# Altium PCB STM32unitV1.PcbDoc (part 1 of 4) (continued)
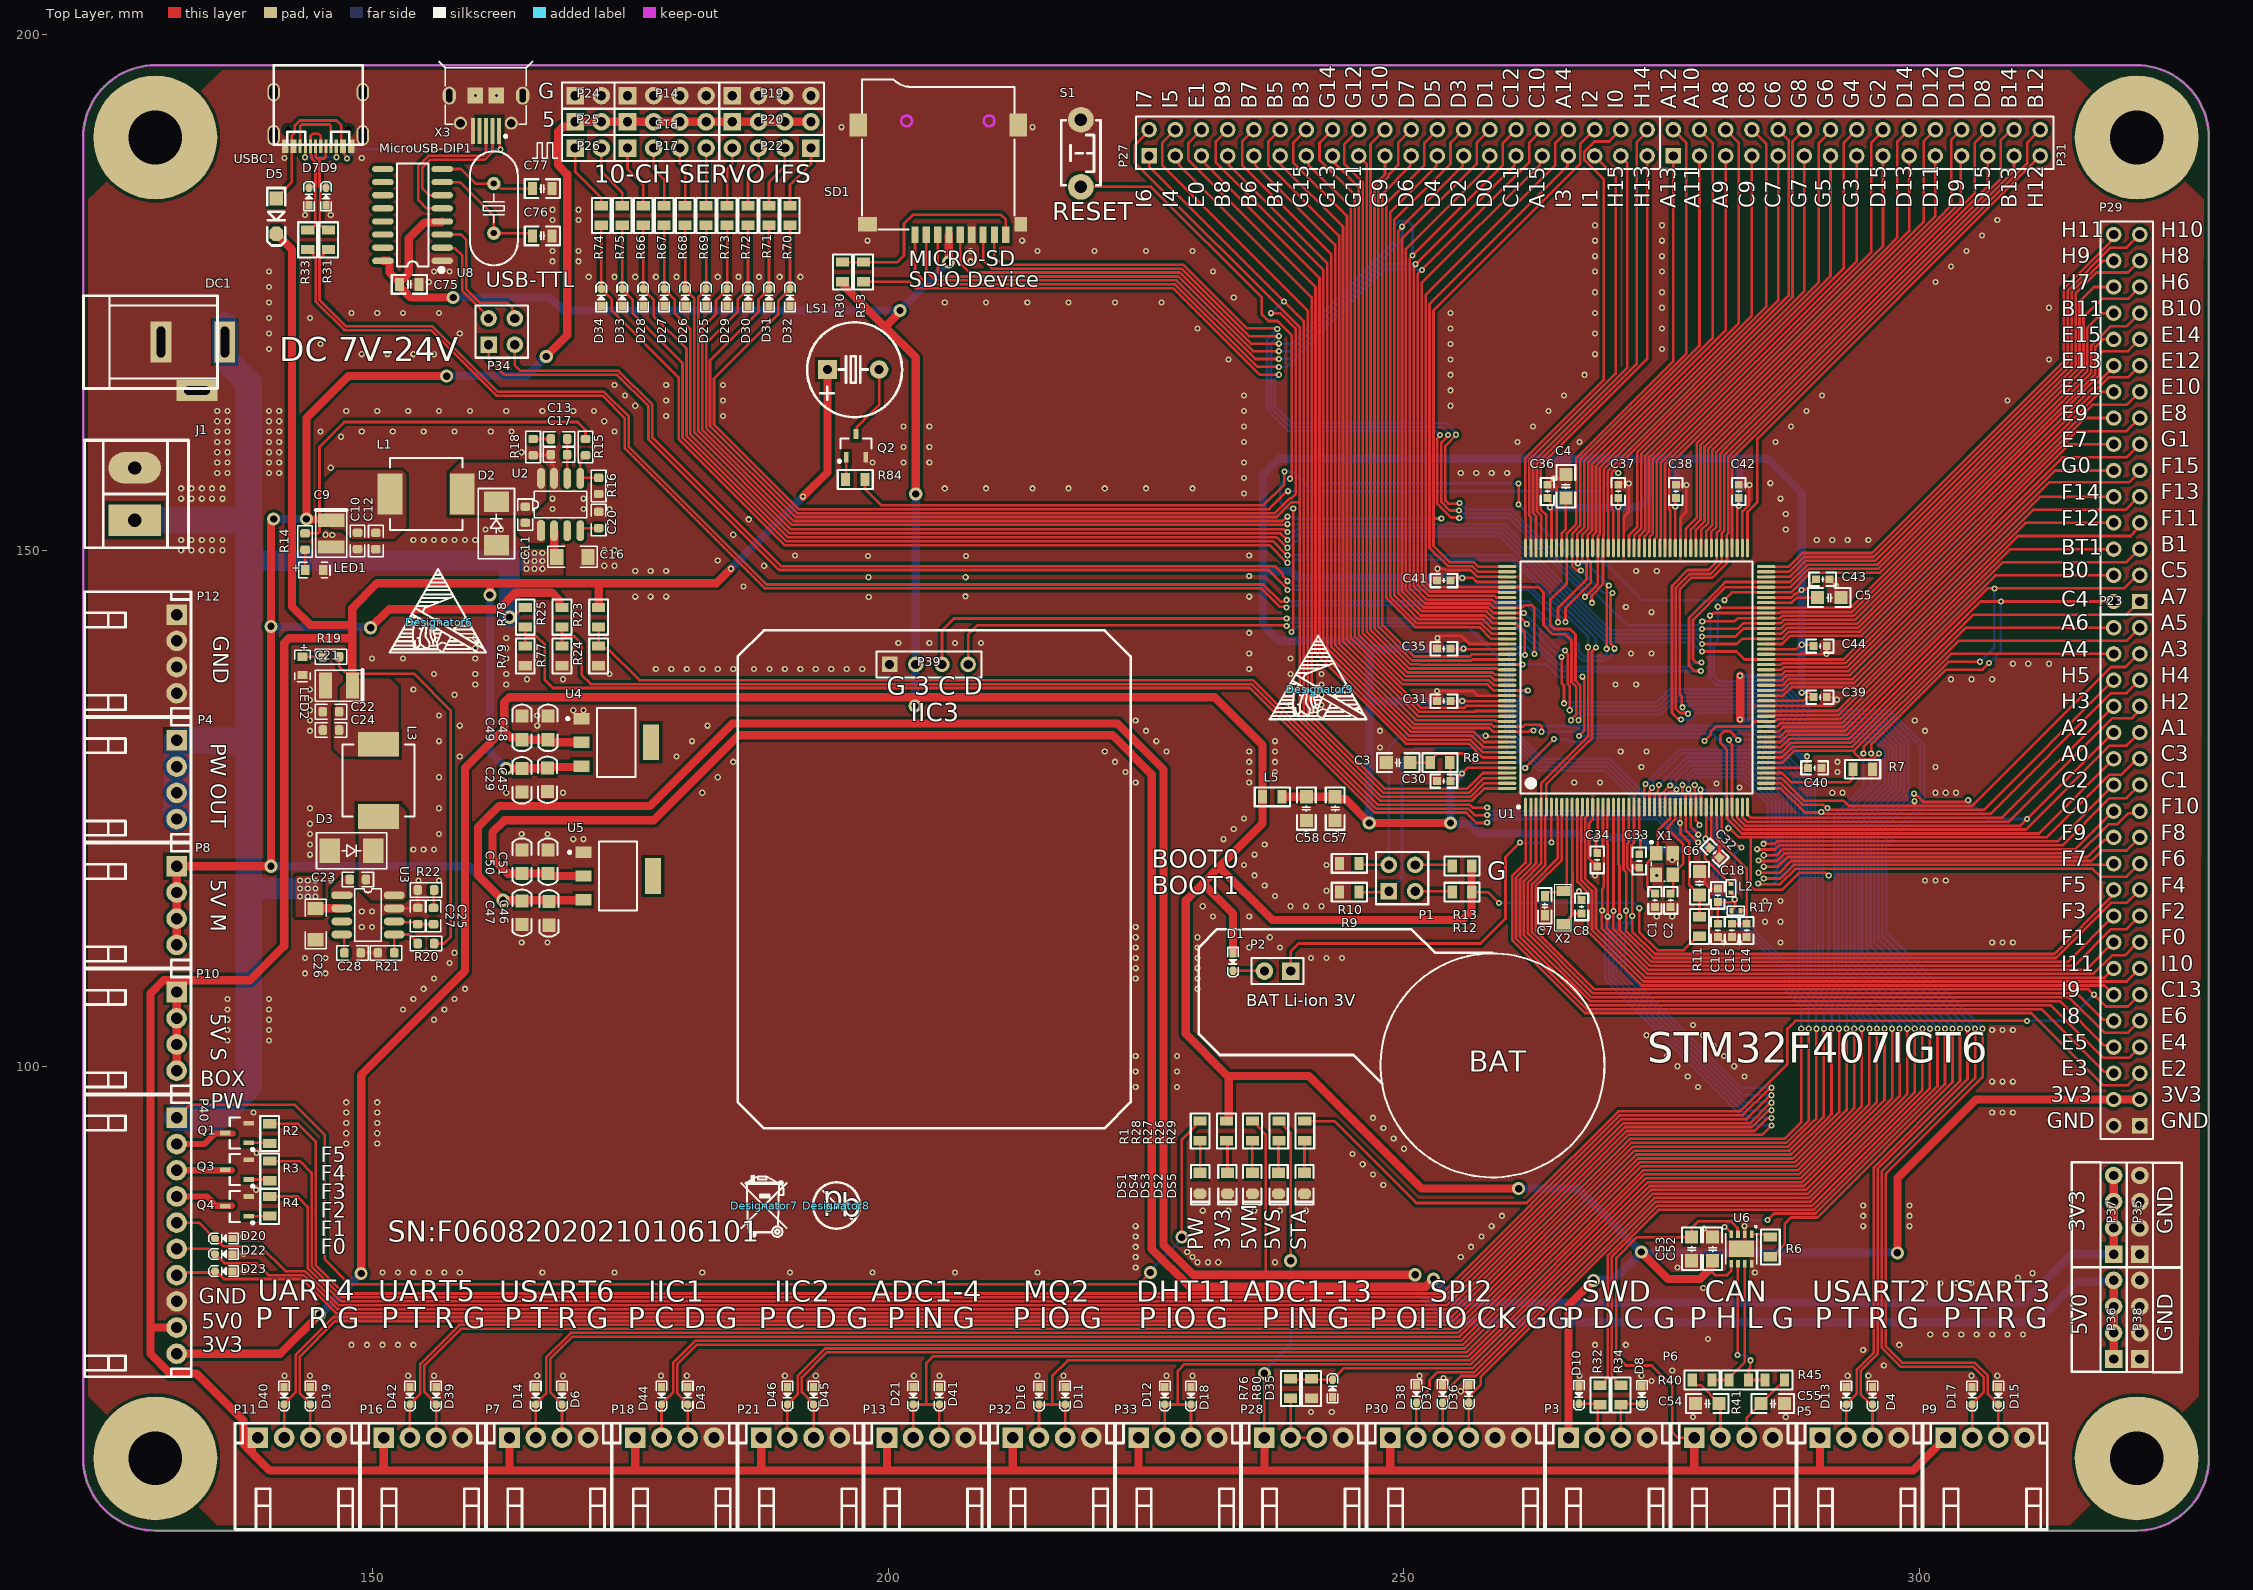
[diagram p0: Top Layer view]
## Components (designator, comment, footprint, x,y, rotation, side; value= is the part's Value field where it differs from the comment) (continued)
R24 "RES2" "R 0805_L" 171.958,139.766 r90 top value=1K
R25 "RES2" "R 0805_L" 168.402,143.51 r90 top value=10K
R26 "RES2" "R 0805_L" 237.871,93.726 r90 top value=1K
R27 "RES2" "R 0805_L" 235.331,93.726 r90 top value=1K
R28 "RES2" "R 0805_L" 232.791,93.726 r90 top value=1K
R29 "RES2" "R 0805_L" 240.386,93.726 r90 top value=1K
R30 "0805" "R 0805_L" 195.58,176.972 r270 top value=10K
R31 "0805" "R 0805_L" 145.796,180.086 r90 top value=22
R32 "0805" "R 0805_L" 268.986,68.138 r270 top value=100
R33 "0805" "R 0805_L" 143.764,180.086 r90 top value=22
R34 "0805" "R 0805_L" 271.018,68.138 r270 top value=100
R40 "0805" "R 0805_L" 278.892,69.596 r0 top value=0R
R41 "0805" "R 0805_L" 282.448,69.596 r180 top value=120
R45 "0805" "R 0805_L" 285.938,69.596 r180 top value=0R
R53 "0805" "R 0805_L" 197.612,176.972 r90 top value=0
R66 "0805" "R 0805_L" 176.276,182.438 r90 top value=200R
R67 "0805" "R 0805_L" 178.308,182.438 r90 top value=200R
R68 "0805" "R 0805_L" 180.34,182.438 r90 top value=200R
R69 "0805" "R 0805_L" 182.372,182.438 r90 top value=200R
R70 "0805" "R 0805_L" 190.5,182.438 r90 top value=200R
R71 "0805" "R 0805_L" 188.468,182.438 r90 top value=200R
R72 "0805" "R 0805_L" 186.436,182.438 r90 top value=200R
R73 "0805" "R 0805_L" 184.404,182.438 r90 top value=200R
R74 "0805" "R 0805_L" 172.212,182.438 r90 top value=200R
R75 "0805" "R 0805_L" 174.244,182.438 r90 top
R76 "RES2" "R 0805_L" 239.014,68.768 r270 top value=10K
R77 "RES2" "R 0805_L" 168.402,139.766 r90 top value=1K
R78 "RES2" "R 0805_L" 164.846,143.51 r90 top value=10K
R79 "RES2" "R 0805_L" 164.846,139.766 r90 top value=1K
R80 "RES2" "R 0805_L" 241.046,68.768 r90 top value=1K
R84 "RES2" "R 0805_L" 196.824,156.845 r0 top value=1K
S1 "SW" "TSW DIP-3*6*5" 218.694,188.468 r270 top
SD1 "SDCARD-M" SDCARD-M 204.86,191.602 r90 top
U1 "STM32F407IGT6" STM-LQFP176_N 272.542,137.668 r90 top locked
U2 "TPS54331" SO08 166.37,151.892 r90 top
U3 "TPS54331" SO08 147.066,116.571 r0 top
U4 "LM1117" SOT223 173.663,131.384 r270 top
U5 "LM1117" SOT223 173.844,118.43 r270 top
U6 "TJA1044GTK/3" HVSON8 282.702,82.296 r180 top
U8 "CH340G" SOP16_M 153.924,182.499 r180 top
USBC1 "TYPE-C-31-M-12" TYPE-C-USB-17 144.78,191.77 r180 top
X1 "25M" XTAL-3225 274.447,120.65 r270 top
X2 "32.768KHz" XTAL-3215A 265.43,113.772 r90 top
X3 "12M" "OSC HC-49S" 161.798,183.134 r90 top

## Footprints (in the part's own frame and the unit in brackets; to place one, negate y for a bottom-side part, rotate by r counter-clockwise, add the part's x,y. Pads: shape width x height; smd on the part's side, far side on the other; paste and mask are expansions set on the pad)
0603 [mil]
  rrect50% 32x37 smd: 1(3.94,0) 2(66.06,0)
  silkscreen extent -25,-28 95,28, body extent 4,-16 67,16, height 18
0603-led [mil]
  rect 32x37 smd: 1(0,0) 2(70,0)
  silkscreen extent -25,-29 95,29, body extent 2,-18 68,18, height 35
0603C [mil]
  rrect50% 32x37 smd: 1(3.94,0) 2(66.06,0)
  silkscreen extent -25,-28 95,28, body extent 4,-16 66,15, height 31
1206 [mil]
  rect 50x60 smd: 1(0,0) 2(120,0)
  silkscreen extent -35,-40 155,40, body extent -2,-32 124,31, height 39
3528 [mm]
  rect 1.27x2.54 smd: 1(0,0) 2(2.6,0)
  silkscreen extent -1,-1.5 3.6,1.5
"BEEP 5x9x5.5" [mm] "5*9*5.5mm(脚距,直径,高度)"
  rect 1.8x1.8 hole 0.9: 1(0,-2.5)
  round 1.8 hole 0.9: 2(0,2.5)
  silkscreen extent -4.57,-4.47 4.62,4.73, body extent -4.5,-4.5 4.5,4.5, height 5.45
"C 0603_L" [mil] "无极性贴片电容"
  rect 30x30 smd: 1(-25.59,0) 2(25.59,0)
  silkscreen extent -51,-26 51,26, body extent -31,-16 31,16, height 32
"C 0603_M" [mil] "无极性贴片电容"
  rect 40x30 smd: 1(-36.5,0) 2(36.5,0)
  silkscreen extent -67,-26 68,26, body extent -31,-16 31,16, height 32
"C 0805" [mil] "无极性贴片电容"
  rect 50x50 smd: 1(-45,0) 2(45,0)
  silkscreen extent -89,-36 89,36, body extent -39,-24 39,24, height 20
"C 0805_L" [mil] "无极性贴片电容"
  rect 35x50 smd: 1(-37.4,0) 2(37.4,0)
  silkscreen extent -67,-36 67,36, body extent -39,-24 39,24, height 20
"C 0805_M" [mil] "无极性贴片电容"
  rect 50x50 smd: 1(-45,0) 2(45,0)
  silkscreen extent -81,-36 81,36, body extent -39,-24 39,24, height 20
DC-005 [mm] "5.5*2.1mm，DC30V,2.5A"
  rect 2x4 hole 0.8 slot 3 at 90 deg: 1(-6.2,0) 2(0,0)
  rect 4x2 hole 0.8 slot 2.5 at 0 deg: 3(-3.5,4.7)
  silkscreen extent -5.48,-4.5 7.5,4.5, body extent -6.55,-4.5 7.5,4.8, height 11.2
DG1282-5.0 [mil]
  rect 120x200 hole 50: 1(-100,0)
  oval 120x200 hole 50: 2(100,0)
  silkscreen extent -205,-205 205,191, body extent -200,-160 200,160, height 315
DO-214AC-SMA [mm]
  rect 2x2.4 smd: 1(0,0) 2(4.2,0)
  silkscreen extent -1.3,-1.75 5.5,1.75, body extent -0.52,-1.3 4.68,1.3, height 2.4
HDR1X4 [mm] "Connector; Header; 4 Position"
  rect 1.5x1.5 hole 0.9: 1(0,0)
  round 1.5 hole 0.9: 2(2.54,0) 3(5.08,0) 4(7.62,0)
  silkscreen extent -1.27,-1.27 8.89,1.27
HDR2.54-LI-2P [mm] "排针，2脚"
  rect 1.7x1.7 hole 0.9: 1(-1.27,0)
  round 1.7 hole 0.9: 2(1.27,0)
  silkscreen extent -2.54,-1.27 2.54,1.27, body extent -2.54,-1.27 2.54,1.27, height 8.5
HDR2.54-LI-2x2P [mm] "双排排针，2x2脚"
  rect 1.6x1.6 hole 0.9: 1(-1.27,-1.27)
  round 1.6 hole 0.9: 2(-1.27,1.27) 3(1.27,-1.27) 4(1.27,1.27)
  silkscreen extent -2.54,-2.54 2.54,2.54, body extent -2.54,-2.54 2.54,2.54, height 8.5
HDR2.54-LI-4P [mm] "排针，4脚"
  rect 1.7x1.7 hole 0.9: 1(-3.81,0)
  round 1.7 hole 0.9: 2(-1.27,0) 3(1.27,0) 4(3.81,0)
  silkscreen extent -5.08,-1.27 5.08,1.27, body extent -5.08,-1.27 5.08,1.27, height 8.5
HDR2X15 [mm] "Connector; Header; 15x2 Position"
  rect 1.5x1.5 hole 0.9: 1(0,0)
  round 1.5 hole 0.9: 2(0,2.54) 3(2.54,0) 4(2.54,2.54) 5(5.08,0) 6(5.08,2.54) 7(7.62,0) 8(7.62,2.54) 9(10.16,0) 10(10.16,2.54) 11(12.7,0) 12(12.7,2.54) 13(15.24,0) 14(15.24,2.54) 15(17.78,0) 16(17.78,2.54) 17(20.32,0) 18(20.32,2.54) 19(22.86,0) 20(22.86,2.54) 21(25.4,0) 22(25.4,2.54) 23(27.94,0) 24(27.94,2.54) 25(30.48,0) 26(30.48,2.54) 27(33.02,0) 28(33.02,2.54) 29(35.56,0) 30(35.56,2.54)
  silkscreen extent -1.27,-1.27 36.83,3.81
HDR2X20 [mm] "Connector; Header; 20x2 Position"
  rect 1.5x1.5 hole 0.9: 1(0,0)
  round 1.5 hole 0.9: 2(0,2.54) 3(2.54,0) 4(2.54,2.54) 5(5.08,0) 6(5.08,2.54) 7(7.62,0) 8(7.62,2.54) 9(10.16,0) 10(10.16,2.54) 11(12.7,0) 12(12.7,2.54) 13(15.24,0) 14(15.24,2.54) 15(17.78,0) 16(17.78,2.54) 17(20.32,0) 18(20.32,2.54) 19(22.86,0) 20(22.86,2.54) 21(25.4,0) 22(25.4,2.54) 23(27.94,0) 24(27.94,2.54) 25(30.48,0) 26(30.48,2.54) 27(33.02,0) 28(33.02,2.54) 29(35.56,0) 30(35.56,2.54) 31(38.1,0) 32(38.1,2.54) 33(40.64,0) 34(40.64,2.54) 35(43.18,0) 36(43.18,2.54) 37(45.72,0) 38(45.72,2.54) 39(48.26,0) 40(48.26,2.54)
  silkscreen extent -1.27,-1.27 49.53,3.81
HVSON8 [mil]
  rect 14x28 smd: 1(-39,-56.4) 2(-13,-56.4) 3(13,-56.4) 4(39,-56.4) 5(39,56.4) 6(13,56.4) 7(-13,56.4) 8(-39,56.4)
  rect 94.49x62.99 smd: 9(0,0)
  silkscreen extent -59,-89 59,59, body extent -56,-60 56,60, height 31
KF2EDGK-2.54-WI-4P [mm] "长：12.06mm，宽：10.1mm，高：8.1mm"
  rect 2x2 hole 1.1: 1(-3.81,0)
  round 2 hole 1.1: 2(-1.27,0) 3(1.27,0) 4(3.81,0)
  silkscreen extent -6.03,-8.9 6.03,1.39, body extent -6.03,-8.9 6.03,1.2, height 8.15
KF2EDGK-2.54-WI-6P [mm] "长：17.1mm，宽：10.1mm，高：8.1mm"
  rect 2x2 hole 1.1: 1(-6.35,0.01)
  round 2 hole 1.1: 2(-3.81,0.01) 3(-1.27,0.01) 4(1.27,0.01) 5(3.81,0.01) 6(6.35,0.01)
  silkscreen extent -8.57,-8.89 8.57,1.4, body extent -8.57,-8.89 8.57,1.21, height 8.15
KF2EDGK-2.54-WI-10P [mm] "长：27.3mm，宽：10.1mm，高：8.1mm"
  rect 2x2 hole 1.1: 1(-11.43,0)
  round 2 hole 1.1: 2(-8.89,0) 3(-6.35,0) 4(-3.81,0) 5(-1.27,0) 6(1.27,0) 7(3.81,0) 8(6.35,0) 9(8.89,0) 10(11.43,0)
  silkscreen extent -13.65,-8.9 13.65,1.4, body extent -13.65,-8.9 13.65,1.2, height 8.15
L100 [mm]
  rect 2.4x4 smd: 1(0,0) 2(-7,0)
  silkscreen extent -7,-3.5 0,3.5, body extent -7.11,-3.49 0.09,3.51, height 4.51
"LED 0805B" [mil] "蓝色0805LED"
  rect 40x50 smd: 1(-40,0)
  oct 40x50 smd: 2(40,0)
  silkscreen extent -70,-35 80,35, body extent -39,-25 39,25, height 32
MICRO_USB_DIP [mm]
  oval 1.3x1.75 hole 0.6 slot 1.3 at 90 deg: 0(0,0) 0(7.112,0)
  round 1.27 hole 0.85: 0(1.1,2.667) 0(6.027,2.667)
  round 1.27 on Top Paste: 0(1.1,2.667) 1(6.027,2.667)
  rect 1.5x1.55 smd: 0(2.54,0) 0(4.572,0)
  rect 0.4x2.5 smd: 1(2.286,3.421) 2(2.921,3.421) 3(3.556,3.421) 4(4.191,3.421) 5(4.826,3.421)
  oval 1.3x1.75 on Top Paste: 2(0,0) 3(7.112,0)
  silkscreen extent -0.98,-3.34 8.15,4.06, body extent -0.54,-2.54 7.66,2.89, height 2.68
"OSC HC-49S" [mm]
  round 1.3 hole 0.6: 1(-2.4,0) 2(2.4,0)
  silkscreen extent -5.52,-2.32 5.52,2.33, body extent -5.52,-2.32 5.53,2.33, height 4.13
"Pb X" [mm]
  silkscreen extent -2.25,-2.24 2.25,2.24
"R 0402_L" [mm] "1/16W贴片电阻"
  rect 0.4x0.5 smd: 1(-0.4,0) 2(0.45,0)
  silkscreen extent -0.8,-0.45 0.85,0.45, body extent -0.5,-0.25 0.5,0.25, height 0.3
"R 0805_L" [mil] "1/8W贴片电阻"
  rect 35x50 smd: 1(-37.4,0) 2(37.4,0)
  silkscreen extent -67,-36 67,36, body extent -39,-25 39,25, height 20
SDCARD-M [mm] "TF卡"
  rect 1.6x0.7 smd: 1(-11.008,2.25) 2(-11.008,1.15) 3(-11.008,0.05) 4(-11.008,-1.05) 5(-11.008,-2.15) 6(-11.008,-3.25) 7(-11.008,-4.35) 8(-11.008,-5.45) 9(-11.008,-6.55)
  rect 1.4x1.2 smd: 10(-10,-8.004)
  rect 2.2x1.7 smd: 11(-0.4,-7.75) 13(-0.4,7.75)
  rect 1.4x1.8 smd: 12(-10,6.85)
  silkscreen extent -10.5,-7.4 4,7.4
SO08 [mil]
  oct 80x30 smd: 1(0,0)
  oval 80x30 smd: 2(0,-50) 3(0,-100) 4(0,-150) 5(200,-150) 6(200,-100) 7(200,-50) 8(200,0)
  silkscreen extent 50,-175 150,25, body extent -21,-171 221,21, height 68
SOD-123 [mil] "2.7x1.6X1.1mm（长宽高，不包括引脚）"
  rect 55x50 smd: 1(-67.5,0)
  oct 55x50 smd: 2(67.5,0)
  silkscreen extent -108,-35 112,35, body extent -73,-31 73,31, height 48
SOD-523 [mm] "1.2x0.8X0.6mm（长宽高，不包括引脚）"
  rect 0.8x0.7 smd: 1(-0.85,0)
  oct 0.8x0.7 smd: 2(0.85,0)
  silkscreen extent -1.4,-0.51 1.45,0.51, body extent -0.8,-0.4 0.8,0.4, height 0.65
SOP16_M [mm] "10.3*6.2*1.8mm（长宽高）"
  oval 2.1x0.6 smd: 1(-2.875,4.445) 2(-2.875,3.175) 3(-2.875,1.905) 4(-2.875,0.635) 5(-2.875,-0.635) 6(-2.875,-1.905) 7(-2.875,-3.175) 8(-2.875,-4.445) 9(2.875,-4.445) 10(2.875,-3.175) 11(2.875,-1.905) 12(2.875,-0.635) 13(2.875,0.635) 14(2.875,1.905) 15(2.875,3.175) 16(2.875,4.445)
  silkscreen extent -2.95,-5 1.52,5.49, body extent -3,-5 3,5, height 1.9
SOT23-3L [mm] "3x1.3x1mm(长宽高)"
  rect 0.45x1 smd: 1(-0.95,-1.143) 2(0.95,-1.143) 3(0,1.125)
  silkscreen extent -1.72,-1.65 1.5,0.7, body extent -1.5,-1.2 1.5,1.2, height 1.05
SOT223 [mm] "SOT-223/SC-73; 4 Leads; Body 6.7 x 7.3 mm, inc. leads (LxW max)"
  rect 1.1x1.55 smd: 1(-2.3,-3.375) 2(0,-3.375) 3(2.3,-3.375)
  rect 3.45x1.55 smd: 4(0,3.375)
  silkscreen extent -3.35,-4.82 3.35,1.85, body extent -3.25,-3.47 3.25,3.49, height 1.66
STM-LQFP176_N [mm] "Thin QFP, 176-Leads, Body 24x24mm, Pitch 0.5mm, IPC Medium Density"
  oval 1.8x0.3 smd: 1(-12.55,10.75) 2(-12.55,10.25) 3(-12.55,9.75) 4(-12.55,9.25) 5(-12.55,8.75) 6(-12.55,8.25) 7(-12.55,7.75) 8(-12.55,7.25) 9(-12.55,6.75) 10(-12.55,6.25) 11(-12.55,5.75) 12(-12.55,5.25) 13(-12.55,4.75) 14(-12.55,4.25) 15(-12.55,3.75) 16(-12.55,3.25) 17(-12.55,2.75) 18(-12.55,2.25) 19(-12.55,1.75) 20(-12.55,1.25) 21(-12.55,0.75) 22(-12.55,0.25) 23(-12.55,-0.25) 24(-12.55,-0.75) 25(-12.55,-1.25) 26(-12.55,-1.75) 27(-12.55,-2.25) 28(-12.55,-2.75) 29(-12.55,-3.25) 30(-12.55,-3.75) 31(-12.55,-4.25) 32(-12.55,-4.75) 33(-12.55,-5.25) 34(-12.55,-5.75) 35(-12.55,-6.25) 36(-12.55,-6.75) 37(-12.55,-7.25) 38(-12.55,-7.75) 39(-12.55,-8.25) 40(-12.55,-8.75) 41(-12.55,-9.25) 42(-12.55,-9.75) 43(-12.55,-10.25) 44(-12.55,-10.75) 89(12.55,-10.75) 90(12.55,-10.25) 91(12.55,-9.75) 92(12.55,-9.25) 93(12.55,-8.75) 94(12.55,-8.25) 95(12.55,-7.75) 96(12.55,-7.25) 97(12.55,-6.75) 98(12.55,-6.25) 99(12.55,-5.75) 100(12.55,-5.25) 101(12.55,-4.75) 102(12.55,-4.25) 103(12.55,-3.75) 104(12.55,-3.25) 105(12.55,-2.75) 106(12.55,-2.25) 107(12.55,-1.75) 108(12.55,-1.25) 109(12.55,-0.75) 110(12.55,-0.25) 111(12.55,0.25) 112(12.55,0.75) 113(12.55,1.25) 114(12.55,1.75) 115(12.55,2.25) 116(12.55,2.75) 117(12.55,3.25) 118(12.55,3.75) 119(12.55,4.25) 120(12.55,4.75) 121(12.55,5.25) 122(12.55,5.75) 123(12.55,6.25) 124(12.55,6.75) 125(12.55,7.25) 126(12.55,7.75) 127(12.55,8.25) 128(12.55,8.75) 129(12.55,9.25) 130(12.55,9.75) 131(12.55,10.25) 132(12.55,10.75)
  oval 0.3x1.8 smd: 45(-10.75,-12.55) 46(-10.25,-12.55) 47(-9.75,-12.55) 48(-9.25,-12.55) 49(-8.75,-12.55) 50(-8.25,-12.55) 51(-7.75,-12.55) 52(-7.25,-12.55) 53(-6.75,-12.55) 54(-6.25,-12.55) 55(-5.75,-12.55) 56(-5.25,-12.55) 57(-4.75,-12.55) 58(-4.25,-12.55) 59(-3.75,-12.55) 60(-3.25,-12.55) 61(-2.75,-12.55) 62(-2.25,-12.55) 63(-1.75,-12.55) 64(-1.25,-12.55) 65(-0.75,-12.55) 66(-0.25,-12.55) 67(0.25,-12.55) 68(0.75,-12.55) 69(1.25,-12.55) 70(1.75,-12.55) 71(2.25,-12.55) 72(2.75,-12.55) 73(3.25,-12.55) 74(3.75,-12.55) 75(4.25,-12.55) 76(4.75,-12.55) 77(5.25,-12.55) 78(5.75,-12.55) 79(6.25,-12.55) 80(6.75,-12.55) 81(7.25,-12.55) 82(7.75,-12.55) 83(8.25,-12.55) 84(8.75,-12.55) 85(9.25,-12.55) 86(9.75,-12.55) 87(10.25,-12.55) 88(10.75,-12.55) 133(10.75,12.55) 134(10.25,12.55) 135(9.75,12.55) 136(9.25,12.55) 137(8.75,12.55) 138(8.25,12.55) 139(7.75,12.55) 140(7.25,12.55) 141(6.75,12.55) 142(6.25,12.55) 143(5.75,12.55) 144(5.25,12.55) 145(4.75,12.55) 146(4.25,12.55) 147(3.75,12.55) 148(3.25,12.55) 149(2.75,12.55) 150(2.25,12.55) 151(1.75,12.55) 152(1.25,12.55) 153(0.75,12.55) 154(0.25,12.55) 155(-0.25,12.55) 156(-0.75,12.55) 157(-1.25,12.55) 158(-1.75,12.55) 159(-2.25,12.55) 160(-2.75,12.55) 161(-3.25,12.55) 162(-3.75,12.55) 163(-4.25,12.55) 164(-4.75,12.55) 165(-5.25,12.55) 166(-5.75,12.55) 167(-6.25,12.55) 168(-6.75,12.55) 169(-7.25,12.55) 170(-7.75,12.55) 171(-8.25,12.55) 172(-8.75,12.55) 173(-9.25,12.55) 174(-9.75,12.55) 175(-10.25,12.55) 176(-10.75,12.55)
  silkscreen extent -12.67,-11.25 11.25,11.57, body extent -12,-12 12,12, height 1.6
"touch X" [mm]
  silkscreen extent -4.83,-2.92 4.55,5.18
"TSW DIP-3*6*5" [mm] "3*6*5mm"
  round 2.5 hole 1.2: 1(3.25,0) 2(-3.25,0)
  silkscreen extent -3.21,-1.9 3.09,1.9, body extent -3.91,-1.75 3.91,1.75, height 5.01
TYPE-C-USB-17 [mm]
  oval 1.2x1.8 hole 0.8 slot 1.4 at 90 deg: 0(-4.32,-2.624) 0(4.32,-2.624)
  oval 1.2x2 hole 0.8 slot 1.6 at 90 deg: 0(-4.32,1.556) 0(4.32,1.556)
  rect 0.3x1.3 smd: A1(-3.35,2.623) A4(-2.55,2.623) A5(-1.25,2.623) A6(-0.25,2.623) A7(0.25,2.623) A8(-1.75,2.624) A9(2.55,2.623) A12(3.35,2.623) B1(3.05,2.623) B4(2.25,2.623) B5(1.75,2.623) B6(0.75,2.623) B7(-0.75,2.623) B8(1.25,2.624) B9(-2.25,2.623) B12(-3.05,2.623)
  round 0.75 hole 0.75 unplated: ""(-2.89,1.026) ""(2.89,1.026)
  silkscreen extent -4.32,-5.23 4.32,2.47, body extent -4.45,-5.03 4.45,2.53, height 3.29
"WASH X" [mm]
  silkscreen extent -2.23,-3.04 2.17,2.89
XTAL-3215A [mm]
  rect 1x1.3 smd: 1(0,0) 2(3.2,0)
  silkscreen extent -0.65,-0.8 3.85,0.8, body extent 0,-0.76 3.2,0.74, height 0.81
XTAL-3225 [mm]
  rect 1.4x1.2 smd: 1(0,0) 2(2.108,-0.025) 3(2.108,1.6) 4(0,1.6)
  silkscreen extent -1.17,-0.57 2.72,2.08, body extent -0.53,-0.46 2.67,2.04, height 0.61

## Part data
C1 C2 C3 C4 C5 C6 C7 C8 C14 C15 C18 C19 C30 C31 C32 C33 C34 C35 C36 C37 C38 C39 C40 C41 C42 C43 C44 C52 C53 C54 C55 C57 C58: library part CAP
C9 C21: library part CAP-+, "Capacitor"
C10 C11 C12 C13 C16 C17 C20 C22 C23 C24 C25 C26 C27 C28: library part CAP1, "Capacitor"
  C11 C13 C23 C25: 类型=电容
C29 C45 C46 C47 C48 C49 C50 C51: library part C, "无极性贴片电容", BOM名称=无极性贴片电容, 学习资源=www.ooocke.com, 版权归属=源创客
D1 D5: "High Conductance Fast Diode", Code_JEDEC=DO-204-AH, ComponentLink1Description="Manufacturer Link", ComponentLink1URL=http://www.fairchildsemi.com/, ComponentLink2Description=Datasheet, ComponentLink2URL=http://www.fairchildsemi.com/ds/1N%2F1N4148.pdf, DatasheetVersion=1997, LatestRevisionDate=17-Jul-2002, LatestRevisionNote="Re-released for DXP Platform.", PackageDescription="Diode, Axial; Body 3.8 x 1.9 mm (LxDia. max), Lead Dia. 0.53 mm (max)", PackageReference=DO-35, Published=8-Jun-2000, Publisher="Altium Limited"
D2 D3: library part DIOLED_1, "DIODE LED"
D4 D6 D7 D8 D9 D10 D11 D12 D13 D14 D15 D16 D17 D18 D19 D20 D21 D22 D23 D25 D26 D27 D28 D29 D30 D31 D32 D33 D34 D35 D36 D37 D38 D39 D40 D41 D42 D43 D44 D45 D46: library part D, "High Conductance Fast Diode", Code_JEDEC=DO-204-AH, ComponentLink1Description="Manufacturer Link", ComponentLink1URL=http://www.fairchildsemi.com/, ComponentLink2Description=Datasheet, ComponentLink2URL=http://www.fairchildsemi.com/ds/1N%2F1N4148.pdf, DatasheetVersion=1997, LatestRevisionDate=17-Jul-2002, LatestRevisionNote="Re-released for DXP Platform.", PackageDescription="Diode, Axial; Body 3.8 x 1.9 mm (LxDia. max), Lead Dia. 0.53 mm (max)", PackageReference=DO-35, Published=8-Jun-2000, Publisher="Altium Limited"
L1 L3: library part INDUCTOR1_1
L2 L5 R6 R7 R8 R9 R10 R11 R12 R13 R17 R30 R31 R32 R33 R34 R40 R41 R45 R53 R66 R67 R68 R69 R70 R71 R72 R73 R74 R75: library part RES2, "Resistor", LatestRevisionDate=17-Jul-2002, LatestRevisionNote="Re-released for DXP Platform.", PackageDescription="Axial Device, Thru-Hole; 2 Leads; 0.3 in Pin Spacing", PackageReference=AXIAL-0.3, Published=8-Jun-2000, Publisher="Altium Limited"
LED1 LED2: library part CP_DIOLED, "DIODE LED"
LS1: "Loudspeaker", LatestRevisionDate=17-Jul-2002, LatestRevisionNote="Re-released for DXP Platform.", PackageReference=PIN2, Published=24-Mar-1999, Publisher="Altium Limited"
P1 P34: "Header, 2-Pin, Dual row", LatestRevisionDate=17-Jul-2002, LatestRevisionNote="Re-released for DXP Platform.", Publisher="Altium Limited"
P2 P24 P25 P26: "Header, 2-Pin", LatestRevisionDate=17-Jul-2002, LatestRevisionNote="Re-released for DXP Platform.", Publisher="Altium Limited"
P3 P14 P15 P17 P19 P20 P22 P35 P36 P37 P38: "Header, 4-Pin", LatestRevisionDate=17-Jul-2002, LatestRevisionNote="Re-released for DXP Platform.", Publisher="Altium Limited"
P4 P5 P6 P7 P8 P9 P10 P11 P12 P13 P16 P18 P21 P28 P32 P33 P39: library part "Header 4", "Header, 4-Pin", LatestRevisionDate=17-Jul-2002, LatestRevisionNote="Re-released for DXP Platform.", Publisher="Altium Limited"
P23 P27: "Header, 20-Pin, Dual row", LatestRevisionDate=17-Jul-2002, LatestRevisionNote="Re-released for DXP Platform.", Publisher="Altium Limited"
P29 P31: "Header, 15-Pin, Dual row", LatestRevisionDate=17-Jul-2002, LatestRevisionNote="Re-released for DXP Platform.", Publisher="Altium Limited"
P30: "Header, 6-Pin", LatestRevisionDate=17-Jul-2002, LatestRevisionNote="Re-released for DXP Platform.", Publisher="Altium Limited"
P40: "Header, 10-Pin", LatestRevisionDate=17-Jul-2002, LatestRevisionNote="Re-released for DXP Platform.", Publisher="Altium Limited"
Q1 Q2 Q3 Q4: library part "NPN  SOT", "NPN Bipolar Transistor", Code_JEDEC=TO-226-AA, LatestRevisionDate=17-Jul-2002, LatestRevisionNote="Re-released for DXP Platform.", PackageDescription="TO, Flat Index; 3 In-Line, Axial Leads; Body Dia. 4.8mm; Leads 0.55 x 0.51 mm (max)", PackageReference=TO-226-AA, Published=8-Jun-2000, Publisher="Altium Limited"
R1 R2 R3 R4 R23 R24 R25 R26 R27 R28 R29 R76 R77 R78 R79 R80 R84: "Resistor", LatestRevisionDate=17-Jul-2002, LatestRevisionNote="Re-released for DXP Platform.", PackageDescription="Axial Device, Thru-Hole; 2 Leads; 0.3 in Pin Spacing", PackageReference=AXIAL-0.3, Published=8-Jun-2000, Publisher="Altium Limited"
R14 R15 R16 R18 R19 R20 R21 R22: library part RES2
SD1: "TF卡槽"
U1: "ARM Cortex-M4 32-bit MCU+FPU, 210 DMIPS, 1024 kB Flash, 192 kB Internal RAM, 140 I/Os, 176-pin LQFP, -40 to 85 degC, Tray", I/Os (High Current)=140, Manufacturer=STMicroelectronics, Operating Frequency(F) (Processor speed) (MHz)=168, Supplier Part Number 1=497-11604-ND, Supply Voltage(Vcc) max (V)=3.6, Supply Voltage(Vcc) min (V)=1.8, ComponentLink1Description="Manufacturer URL", ComponentLink1URL=http://www.st.com/web/en/home.html, ComponentLink2Description=Datasheet, ComponentLink2URL=http://www.st.com/st-web-ui/static/active/en/resource/technical/document/datasheet/DM00037051.pdf, ComponentLink3Description="Package Specification", ComponentLink3URL=http://www.st.com/st-web-ui/static/active/en/resource/technical/document/datasheet/DM00035129.pdf, Core="ARM Cortex-M4", D/A Converter=2x12-bit, DatasheetVersion="Rev. 4", FLASH Size (Prog) (kB)=1024, Internal RAM Size (kB)=192, Mounting Technology="Surface Mount", PackageDescription="176-Pin Low Profile Quad Flat Package, 24 x 24 mm Body, 0.5 mm Pitch", PackageReference=LQFP176, PackageVersion="Rev. 4, 06/2013", Packing=Tray, PartNumber=STM32F407IGT6, Supplier 1=Digi-Key, Supplier 2=Farnell, Supplier 3=Newark, Supplier 4=Mouser, Supplier Part Number 2=2064366, Supplier Part Number 3=73T2331, Supplier Part Number 4=511-STM32F407IGT6
X1: library part XTAL-4, "4脚晶振", BOM名称=4脚晶振, 学习资源=www.ooocke.com, 版权归属=源创客
X2: library part XTAL-2, "2脚晶振", BOM名称=2脚晶振, 学习资源=www.ooocke.com, 版权归属=源创客
X3: library part YX
S1: LatestRevisionDate=17-Jul-2002, LatestRevisionNote="Re-released for DXP Platform.", Published=24-Mar-1999, Publisher="Altium Limited"

## Free pads (board coordinates)
  round 12 hole 5.2: 0(129,62) 0(129,190) 0(321,62) 0(321,190)

## Via types
v1: diameter 0.6, hole 0.3, Top Layer to Bottom Layer, tented both sides, 860 vias
v2: diameter 1.27, hole 0.711, Top Layer to Bottom Layer, tented both sides, 30 vias

## Nets (pads, with @x,y where several pads share a name; then routed paths per layer and width w, separated by ;. In a path a pad name is that pad's centre, name@x,y a point inside that pad or via, vN(x,y) a via of type N, cw(c..) or ccw(c..) an arc to the next point about the centre after c; other vN are vias at no path point)
+3.3V: C48.2 C49.1 C52.2 C75.2 D1.1 L5.2 P3.1 P23.3 P23.4 P39.2 P40.10 R11.1 R12.1 R13.2 R28.2 R30.2 SD1.4 U4.2 U6.5 U8.4 U8.16 | length 531.6
  Top Layer w0.254: R12.1@256.572,116.867 258.164,116.867 v1(259.207,115.824) ; v1(272.796,115.316) 272.796,113.03 274.574,111.252 277.112,111.252 278.448,112.588 R11.1@278.638,112.588 ; C52.2@279.908,81.153 279.908,80.581 279.908,80.01 280.162,79.756 281.305,79.756 281.711,80.162 U6.5@281.711,80.863
  Top Layer w0.8: P40.10@131.064,72.136 141.097,72.136 v2(144.907,75.946) ; v2(148.941,79.907) 148.941,99.157 159.004,109.22 159.004,128.905 162.814,132.715 ; U8.16@151.049,178.054 151.599,178.054 151.699,177.954 151.699,176.919 C75.2@152.659,175.958 ; U8.4@156.799,181.864 156.699,181.764 155.094,181.764 153.543,180.213 153.543,176.842 C75.2@152.659,175.958 ; v2(157.861,174.498) 153.739,174.498 152.659,175.577 C75.2@152.659,175.958 ; U4.2@170.288,131.384 167.536,131.384 167.282,131.638 C48.2@167.059,131.638 C49.1@164.519,131.638 164.284,131.873 163.402,131.873 162.814,132.461 162.814,135.275 163.283,135.744 202.692,135.744 ; R30.2@195.58,176.022 195.77,176.022 195.815,175.978 195.815,175.533 199.707,171.641 ; v2(201.168,173.228) 201.168,173.101 199.707,171.641 ; v2(202.61,134.919) 202.692,135.001 202.692,135.744 ; v2(202.692,155.448) 202.692,168.656 199.707,171.641 ; v2(205.867,177.927) 205.888,177.948 205.888,180.573 SD1.4@205.91,180.594 ; R28.2@232.791,94.676 232.982,94.676 233.026,94.72 233.026,99.06 ; D1.1@233.426,110.959 233.426,114.808 230.506,117.728 ; L5.2@236.286,125.921 236.286,131.125 231.667,135.744 202.692,135.744 ; L5.2@236.286,126.111 236.286,123.508 232.094,119.315 ; R13.2@256.572,119.407 256.54,119.375 256.54,116.867 256.54,115.062 255.651,114.173 237.236,114.173 232.094,119.315 ; v2(261.112,88.138) 251.714,88.138 240.792,99.06 232.918,99.06 228.854,103.124 228.854,116.076 230.506,117.728 ; P3.1@265.938,64.008 265.938,76.835 v2(268.351,79.248) ; v2(273,82) 273,81.965 275.59,79.375 278.702,79.375 C52.2@279.908,80.581 ; v2(297.815,81.915) 297.815,89.154 305.435,96.774 P23.4@318.77,96.774 P23.3@321.31,96.774 ; 230.506,117.728 232.094,119.315
  Bottom Layer w0.254: v1(259.207,115.824) 272.288,115.824 v1(272.796,115.316)
  Bottom Layer w0.8: v2(144.907,75.946) 144.943,75.946 148.905,79.907 v2(148.941,79.907) ; v2(157.861,174.498) 167.259,174.498 168.529,173.228 v2(201.168,173.228) v2(205.867,177.927) ; v2(202.61,134.919) 202.651,134.96 202.651,138.897 P39.2@202.692,138.938 v2(202.692,155.448) ; v2(261.112,88.138) 266.862,88.138 v2(273,82) ; v2(268.351,79.248) 268.416,79.313 270.313,79.313 v2(273,82) ; v2(297.815,81.915) 297.772,81.958 273.042,81.958 v2(273,82)
BOOT0: P1.2 R10.1 U1.166 | length 26.4
  Top Layer w0.254: R10.1@245.65,119.661 245.804,119.507 P1.2@248.539,119.507 ; v1(257.917,132.024) 258.011,132.024 258.117,131.918 U1.166@259.992,131.918
  Bottom Layer w0.254: P1.2@248.539,119.507 248.539,130.937 249.682,132.08 257.861,132.08 v1(257.917,132.024)
BOOT1: P1.1 P29.6 R9.2 U1.58 | length 95.8
  Top Layer w0.254: R9.2@245.65,116.867 248.439,116.867 P1.1@248.539,116.967 ; v1(261.747,128.905) v1(264.541,131.699) ; v1(279.115,131.507) 279.735,132.127 279.735,132.415 280.24,132.92 283.539,132.92 284.037,133.418 U1.58@285.092,133.418 285.101,133.427 285.954,133.427 286.16,133.633 292.283,133.633 308.764,150.114 P29.6@318.77,150.114
  Bottom Layer w0.254: P1.1@248.539,116.967 249.809,118.237 249.809,129.667 250.952,130.81 259.842,130.81 v1(261.747,128.905) ; v1(264.541,131.699) 265.684,131.699 265.938,131.445 268.097,131.445 268.478,131.826 278.793,131.826 279.112,131.507 v1(279.115,131.507)
CAN1_RX_D0: P27.27 U1.142 U6.4 | length 170.3
  Top Layer w0.254: P27.27@258.318,188.214 258.225,188.121 258.225,187.232 250.19,179.197 250.19,146.15 251.885,144.455 258.16,144.455 258.698,143.918 U1.142@259.992,143.918 259.993,143.917 v1(261.608,143.916) v1(261.608,143.916) ; v1(265.604,140.288) 265.604,140.194 265.857,139.941 265.857,137.052 266.065,136.844 v1(266.065,134.493) ; v1(281.051,84.409) 281.117,84.343 281.275,84.343 281.711,83.906 U6.4@281.711,83.729 ; v1(285.242,85.09) 285.877,85.725 289.892,85.725 302.081,97.915 302.427,98.261 v1(302.427,103.632)
  Bottom Layer w0.254: v1(261.608,143.916) 265.17,140.354 265.538,140.354 v1(265.604,140.288) ; v1(266.065,134.493) 266.446,134.874 274.636,134.874 275.906,136.144 286.158,136.144 288.952,133.35 296.467,133.35 298.496,131.321 298.496,126.638 294.823,122.965 294.823,111.292 302.427,103.688 v1(302.427,103.632) ; v1(281.051,84.409) 281.732,85.09 v1(285.242,85.09)
CAN1_TX_D1: R6.2 U6.1 | length 1.9
  Top Layer w0.254: U6.1@283.693,83.729 285.201,83.729 R6.2@285.496,83.434
CC: USBC1.A5 USBC1.B5 | length 7
  Top Layer w0.254: USBC1.B5@143.03,189.147 143.053,189.17 143.053,191.113 143.202,191.262 145.858,191.262 146.007,191.113 146.007,189.17 USBC1.A5@146.03,189.147
CtrlIO1_F2: D20.2 P23.17 P40.5 U1.18 | length 259.2
  Top Layer w0.254: P40.5@131.064,84.836 133.212,84.836 134.736,83.312 D20.2@134.786,83.312 134.836,83.312 135.598,82.55 139.192,82.55 141.605,80.137 143.51,80.137 146.812,76.835 254.142,76.835 271.414,94.107 273.558,94.107 283.718,94.107 285.281,95.67 285.557,95.67 v1(285.623,95.736) ; U1.18@270.292,125.118 270.301,125.109 270.301,115.068 v1(270.315,115.054) 270.292,115.032 270.292,113.283 273.847,109.728 314.96,109.728 318.516,113.284 320.04,113.284 P23.17@321.31,114.554
  Bottom Layer w0.254: v1(270.315,115.054) 270.337,115.032 270.337,114.062 270.256,113.981 270.256,108.712 283.232,95.736 v1(285.623,95.736)
CtrlIO2_F1: D22.2 P23.16 P40.6 U1.17 | length 255.7
  Top Layer w0.254: P40.6@131.064,82.296 134.18,82.296 134.688,81.788 D22.2@134.786,81.788 134.836,81.788 135.725,80.899 138.811,80.899 139.954,79.756 143.352,79.756 146.654,76.454 254.3,76.454 271.572,93.726 274.828,93.726 283.972,93.726 285.205,94.959 285.586,94.959 v1(285.623,94.996) ; v1(269.738,114.489) 269.672,114.423 269.672,113.821 269.668,113.817 269.668,113.368 269.911,113.125 273.689,109.347 316.103,109.347 P23.16@318.77,112.014 ; v1@269.761,114.554 269.761,121.444 269.696,121.509 269.696,124.26 269.792,124.356 U1.17@269.792,125.118
  Bottom Layer w0.254: v1(269.738,114.489) 269.875,114.352 269.875,108.554 280.273,98.157 283.433,94.996 v1(285.623,94.996)
CtrlIO3_F0: D23.2 P23.15 P40.7 U1.16 | length 259.9
  Top Layer w0.254: P40.7@131.064,79.756 131.323,80.015 134.664,80.015 D23.2@134.786,80.137 134.874,80.137 135.636,79.375 143.194,79.375 146.496,76.073 254.458,76.073 271.73,93.345 284.699,93.345 v1(285.623,94.269) ; v1(269.207,115.078) 269.175,115.046 269.175,113.322 273.531,108.966 316.842,108.966 318.62,110.744 319.871,110.744 321.141,112.014 P23.15@321.31,112.014 ; v1@269.212,115.078 269.212,117.193 269.367,117.348 269.367,121.136 269.292,121.211 U1.16@269.292,125.118
  Bottom Layer w0.254: v1(269.207,115.078) 269.171,115.042 269.171,113.861 269.494,113.538 269.494,108.396 280.115,97.776 283.621,94.269 v1(285.623,94.269)
CtrlTQ1_F5: P23.20 R2.2 U1.21 | length 254.9
  Top Layer w0.254: R2.2@140.081,94.417 142.819,94.417 144.526,92.71 144.526,80.737 147.285,77.978 253.668,77.978 270.941,95.25 282.829,95.25 285.332,97.753 285.365,97.753 285.529,97.917 v1(285.623,97.917) ; U1.21@271.792,125.118 271.792,121.709 271.653,121.57 271.653,119.222 272.12,118.755 272.12,113.071 274.32,110.871 313.024,110.871 318.532,116.378 318.532,116.856 P23.20@318.77,117.094
  Bottom Layer w0.254: v1(272.12,114.56) 272.054,114.494 272.054,114.067 271.399,113.412 271.399,109.185 282.667,97.917 v1(285.623,97.917)
CtrlTQ2_F4: P23.19 R3.2 U1.20 | length 255.9
  Top Layer w0.254: R3.2@140.081,90.8 143.007,90.8 144.145,89.662 144.145,80.58 147.128,77.597 253.826,77.597 271.098,94.869 283.21,94.869 285.531,97.19 v1(285.623,97.19) ; U1.20@271.292,125.118 271.283,125.109 271.283,124.327 271.272,124.315 271.272,119.064 271.526,118.81 v1(271.526,115.062) 271.526,113.126 274.162,110.49 313.182,110.49 318.516,115.824 320.04,115.824 P23.19@321.31,117.094
  Bottom Layer w0.254: v1(271.526,115.062) 271.526,114.173 271.018,113.665 271.018,109.028 282.856,97.19 v1(285.623,97.19)
CtrlTQ3_F3: P23.18 R4.2 U1.19 | length 250
  Top Layer w0.254: R4.2@140.081,87.371 142.753,87.371 143.764,86.36 143.764,80.422 146.97,77.216 253.984,77.216 271.256,94.488 283.56,94.488 285.535,96.463 v1(285.623,96.463) ; U1.19@270.792,125.118 270.792,119.548 270.891,119.449 v1(270.891,114.513) 270.891,113.222 271.509,112.604 274.004,110.109 314.325,110.109 P23.18@318.77,114.554
  Bottom Layer w0.254: v1(270.891,114.513) 270.825,114.447 270.825,114.202 270.822,114.199 270.822,114.008 270.637,113.823 270.637,108.87 282.987,96.52 285.566,96.52 v1(285.623,96.463)
DN: D9.2 R31.2 USBC1.A7 USBC1.B7 | length 11.4
  Top Layer w0.254: USBC1.A7@144.53,189.147 144.53,188.109 144.679,187.96 144.902,187.96 ; 144.977,185.242 144.977,183.971 144.938,183.932 144.938,181.541 145.126,181.353 145.479,181.353 R31.2@145.796,181.036 ; USBC1.B7@145.53,189.147 145.53,188.109 145.381,187.96 144.902,187.96 ; D9.2@145.542,185.127 145.427,185.242 144.902,185.242 144.902,187.96
DP: D7.2 R33.2 USBC1.A6 USBC1.B6 | length 12.6
  Top Layer w0.254: R33.2@143.764,181.036 144.082,181.353 144.337,181.353 144.495,181.512 144.495,183.932 144.486,183.941 144.486,185.252 ; D7.2@143.891,185.127 144.016,185.252 144.521,185.252 144.521,187.579 144.149,187.951 144.149,188.231 144.053,188.328 144.053,189.124 USBC1.B6@144.03,189.147 144.03,190.131 144.272,190.373 144.78,190.373 145.03,190.123 USBC1.A6@145.03,189.147